# Altium PCB rt1062-ref.PcbDoc (part 1 of 4) (continued)
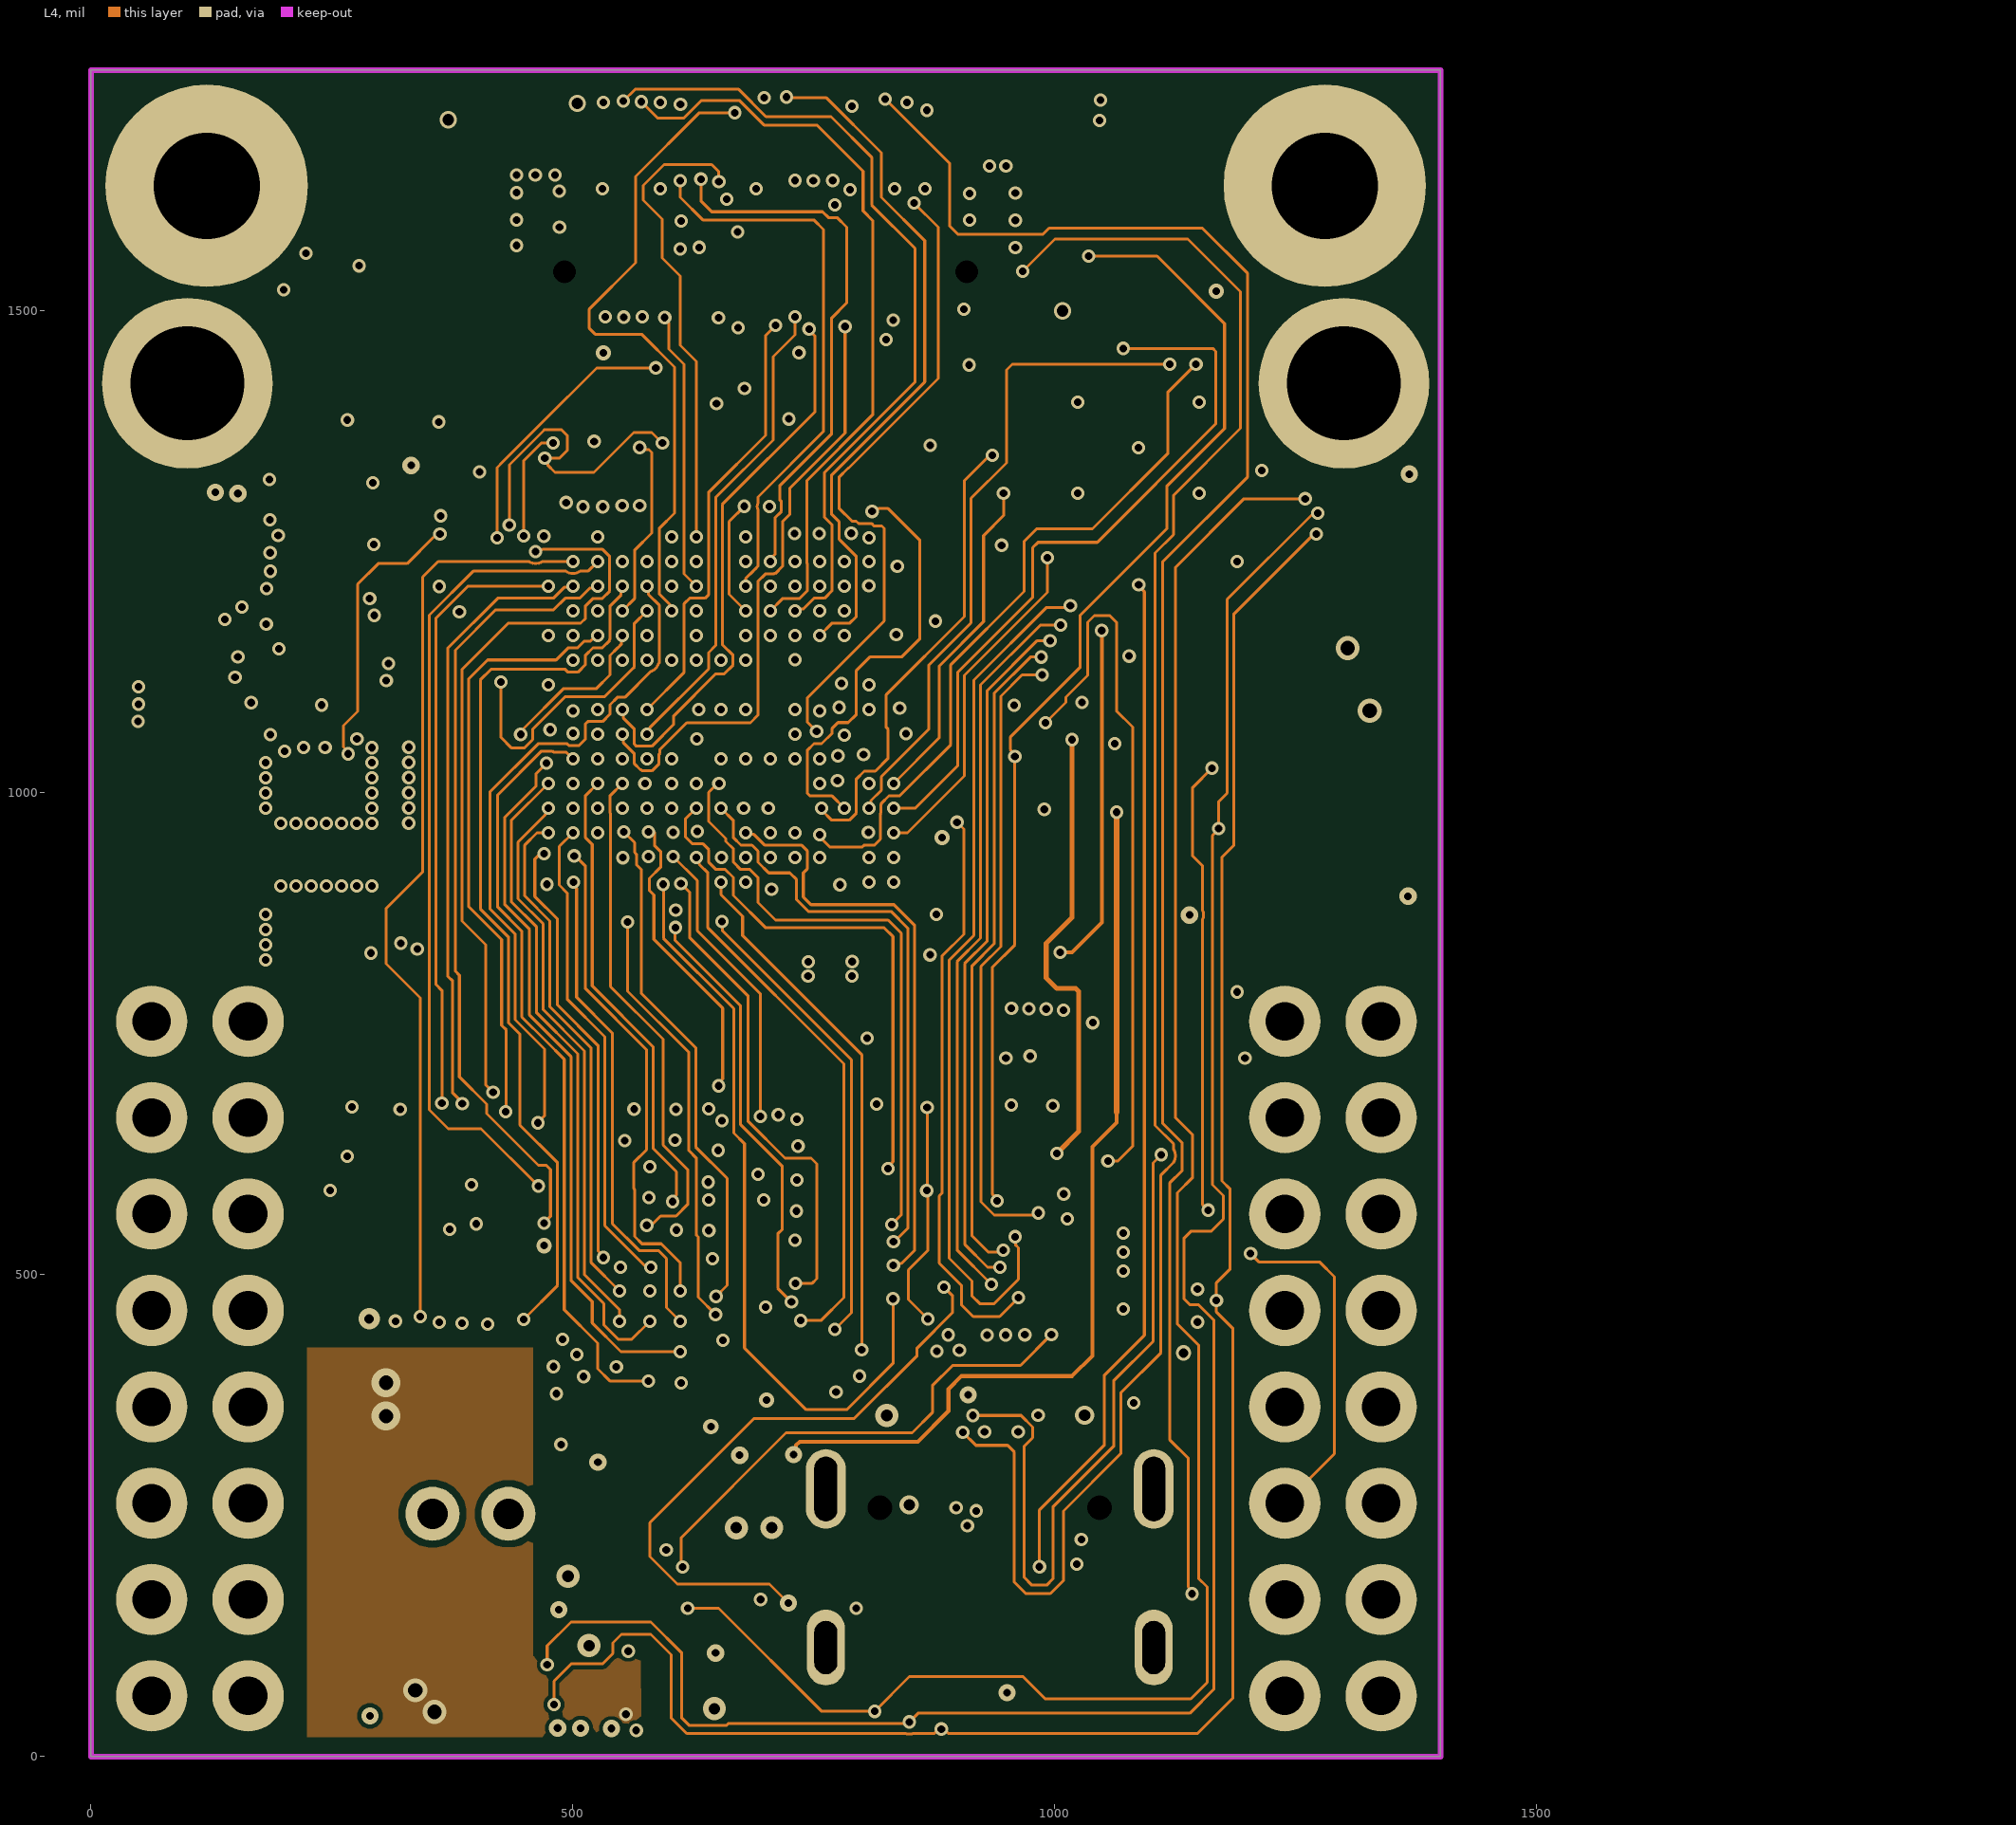
[diagram p4: L4]
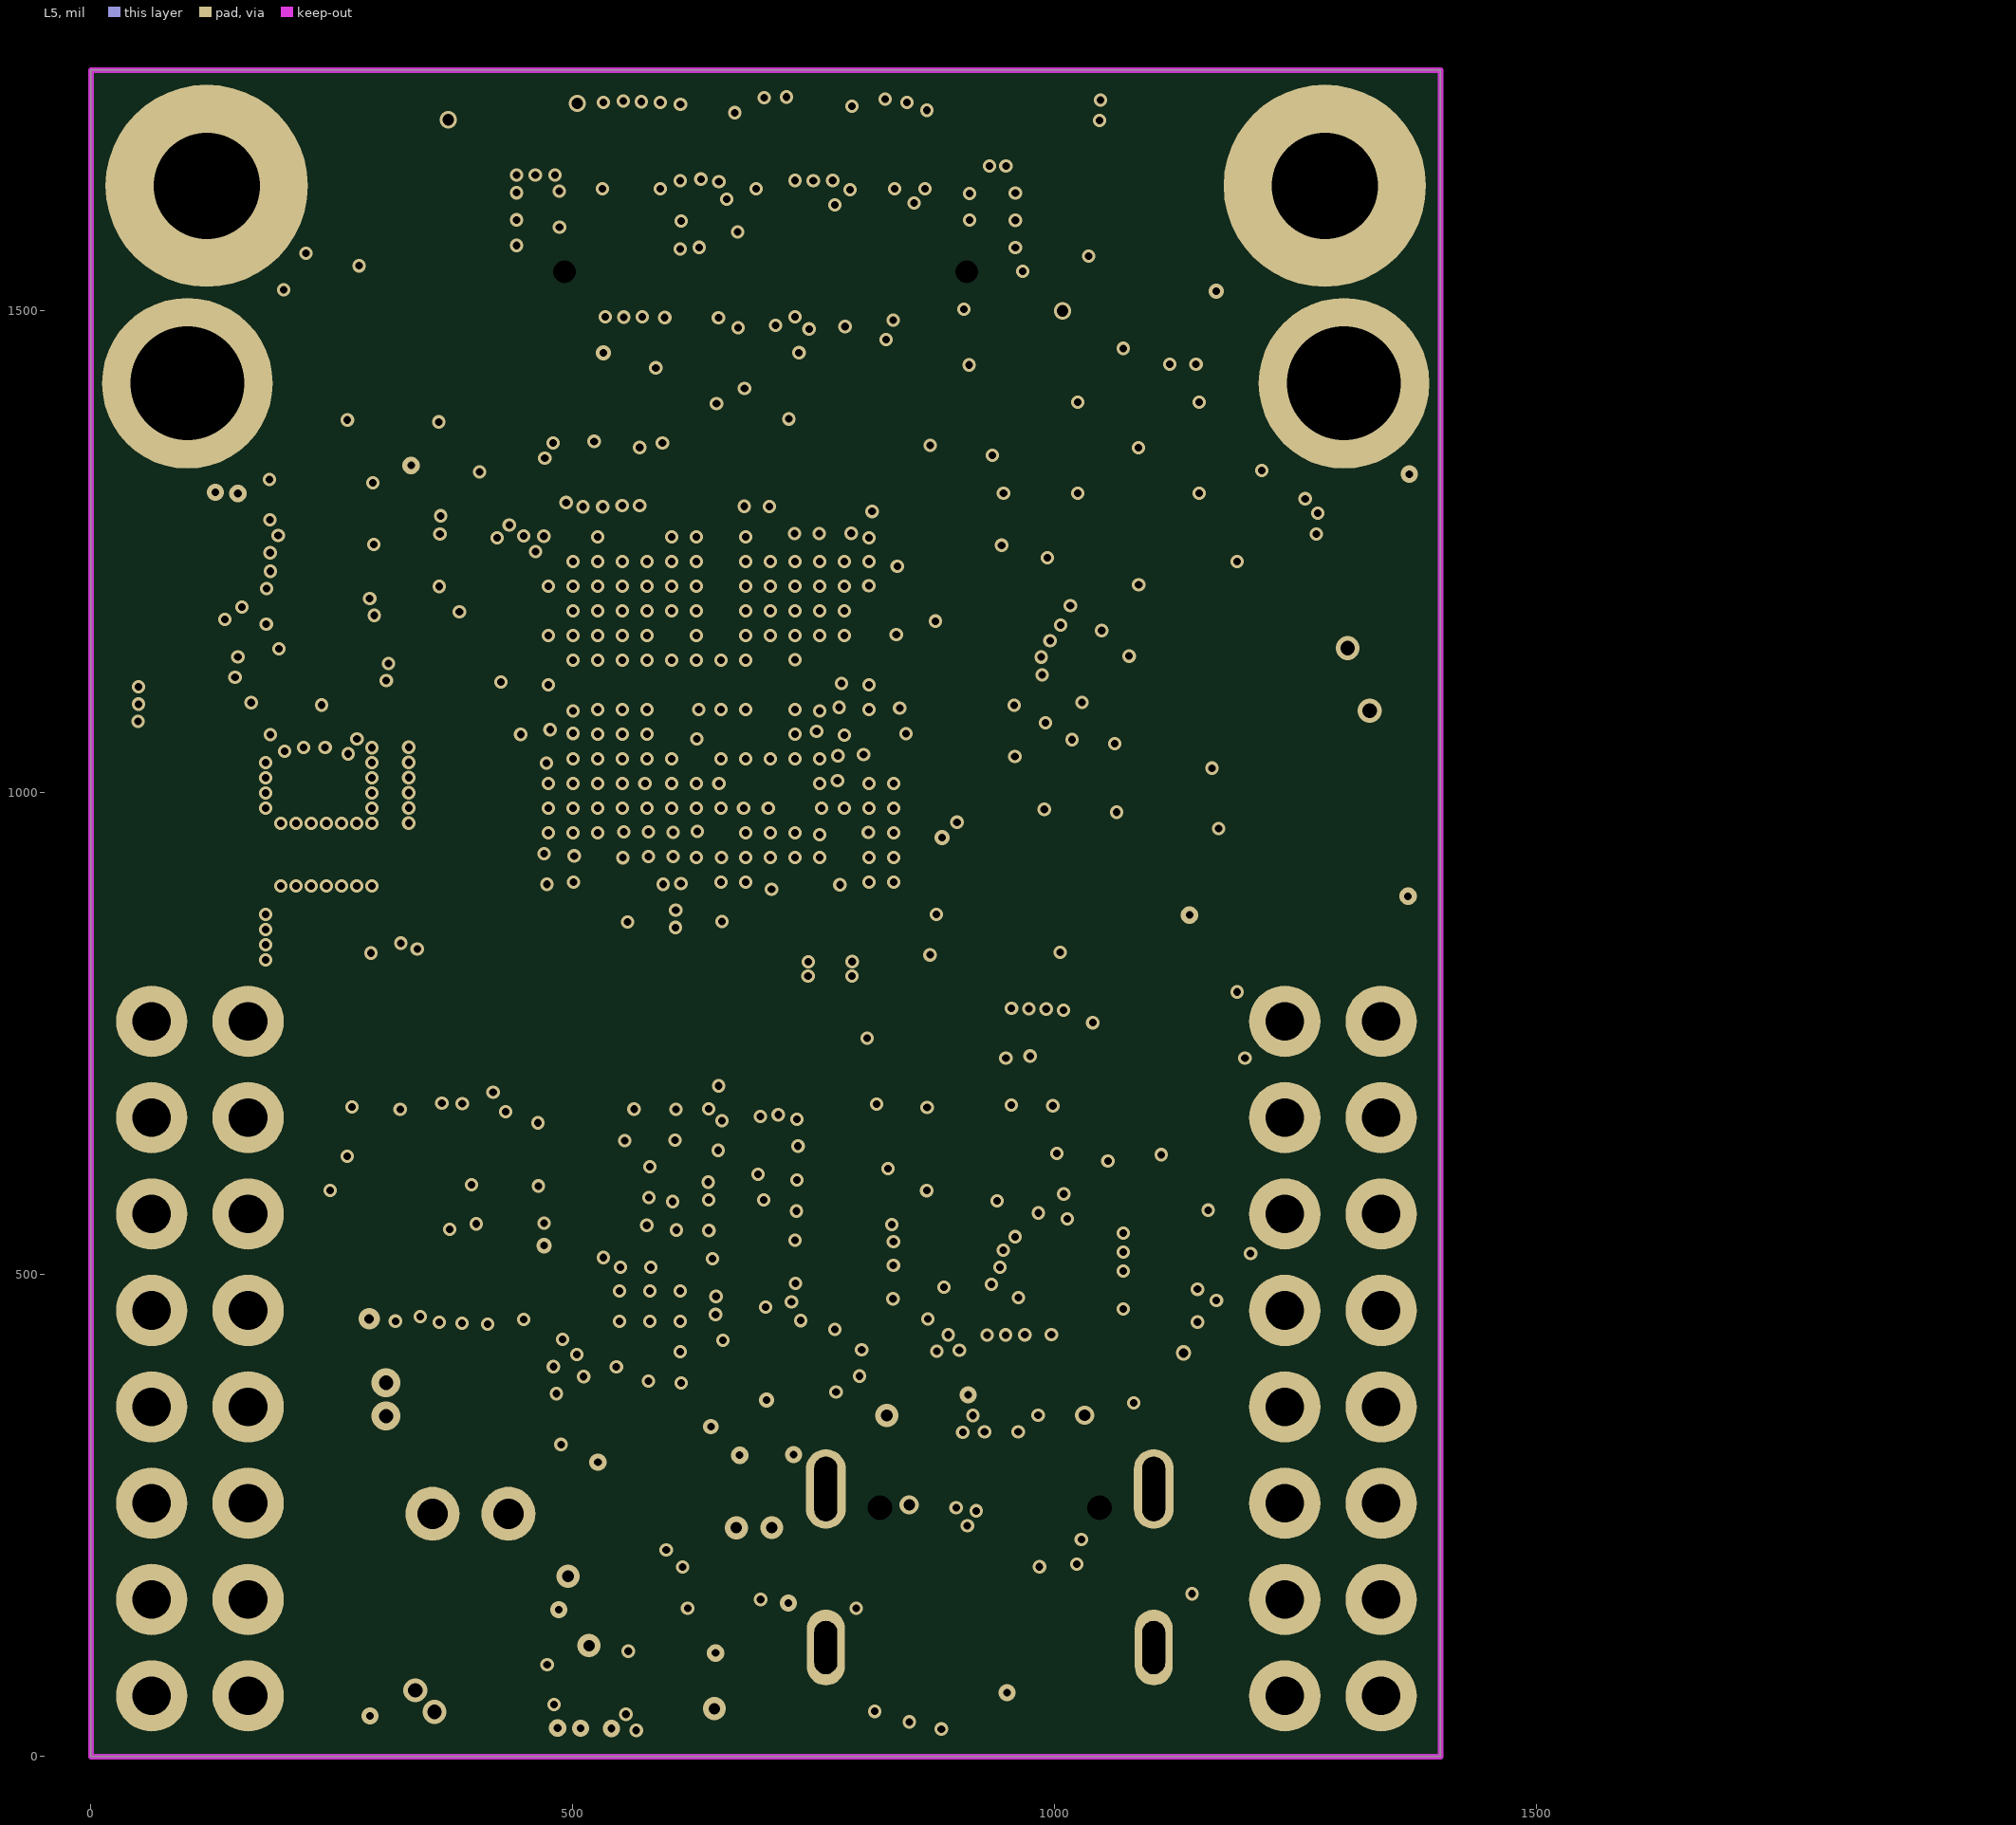
[diagram p5: L5]
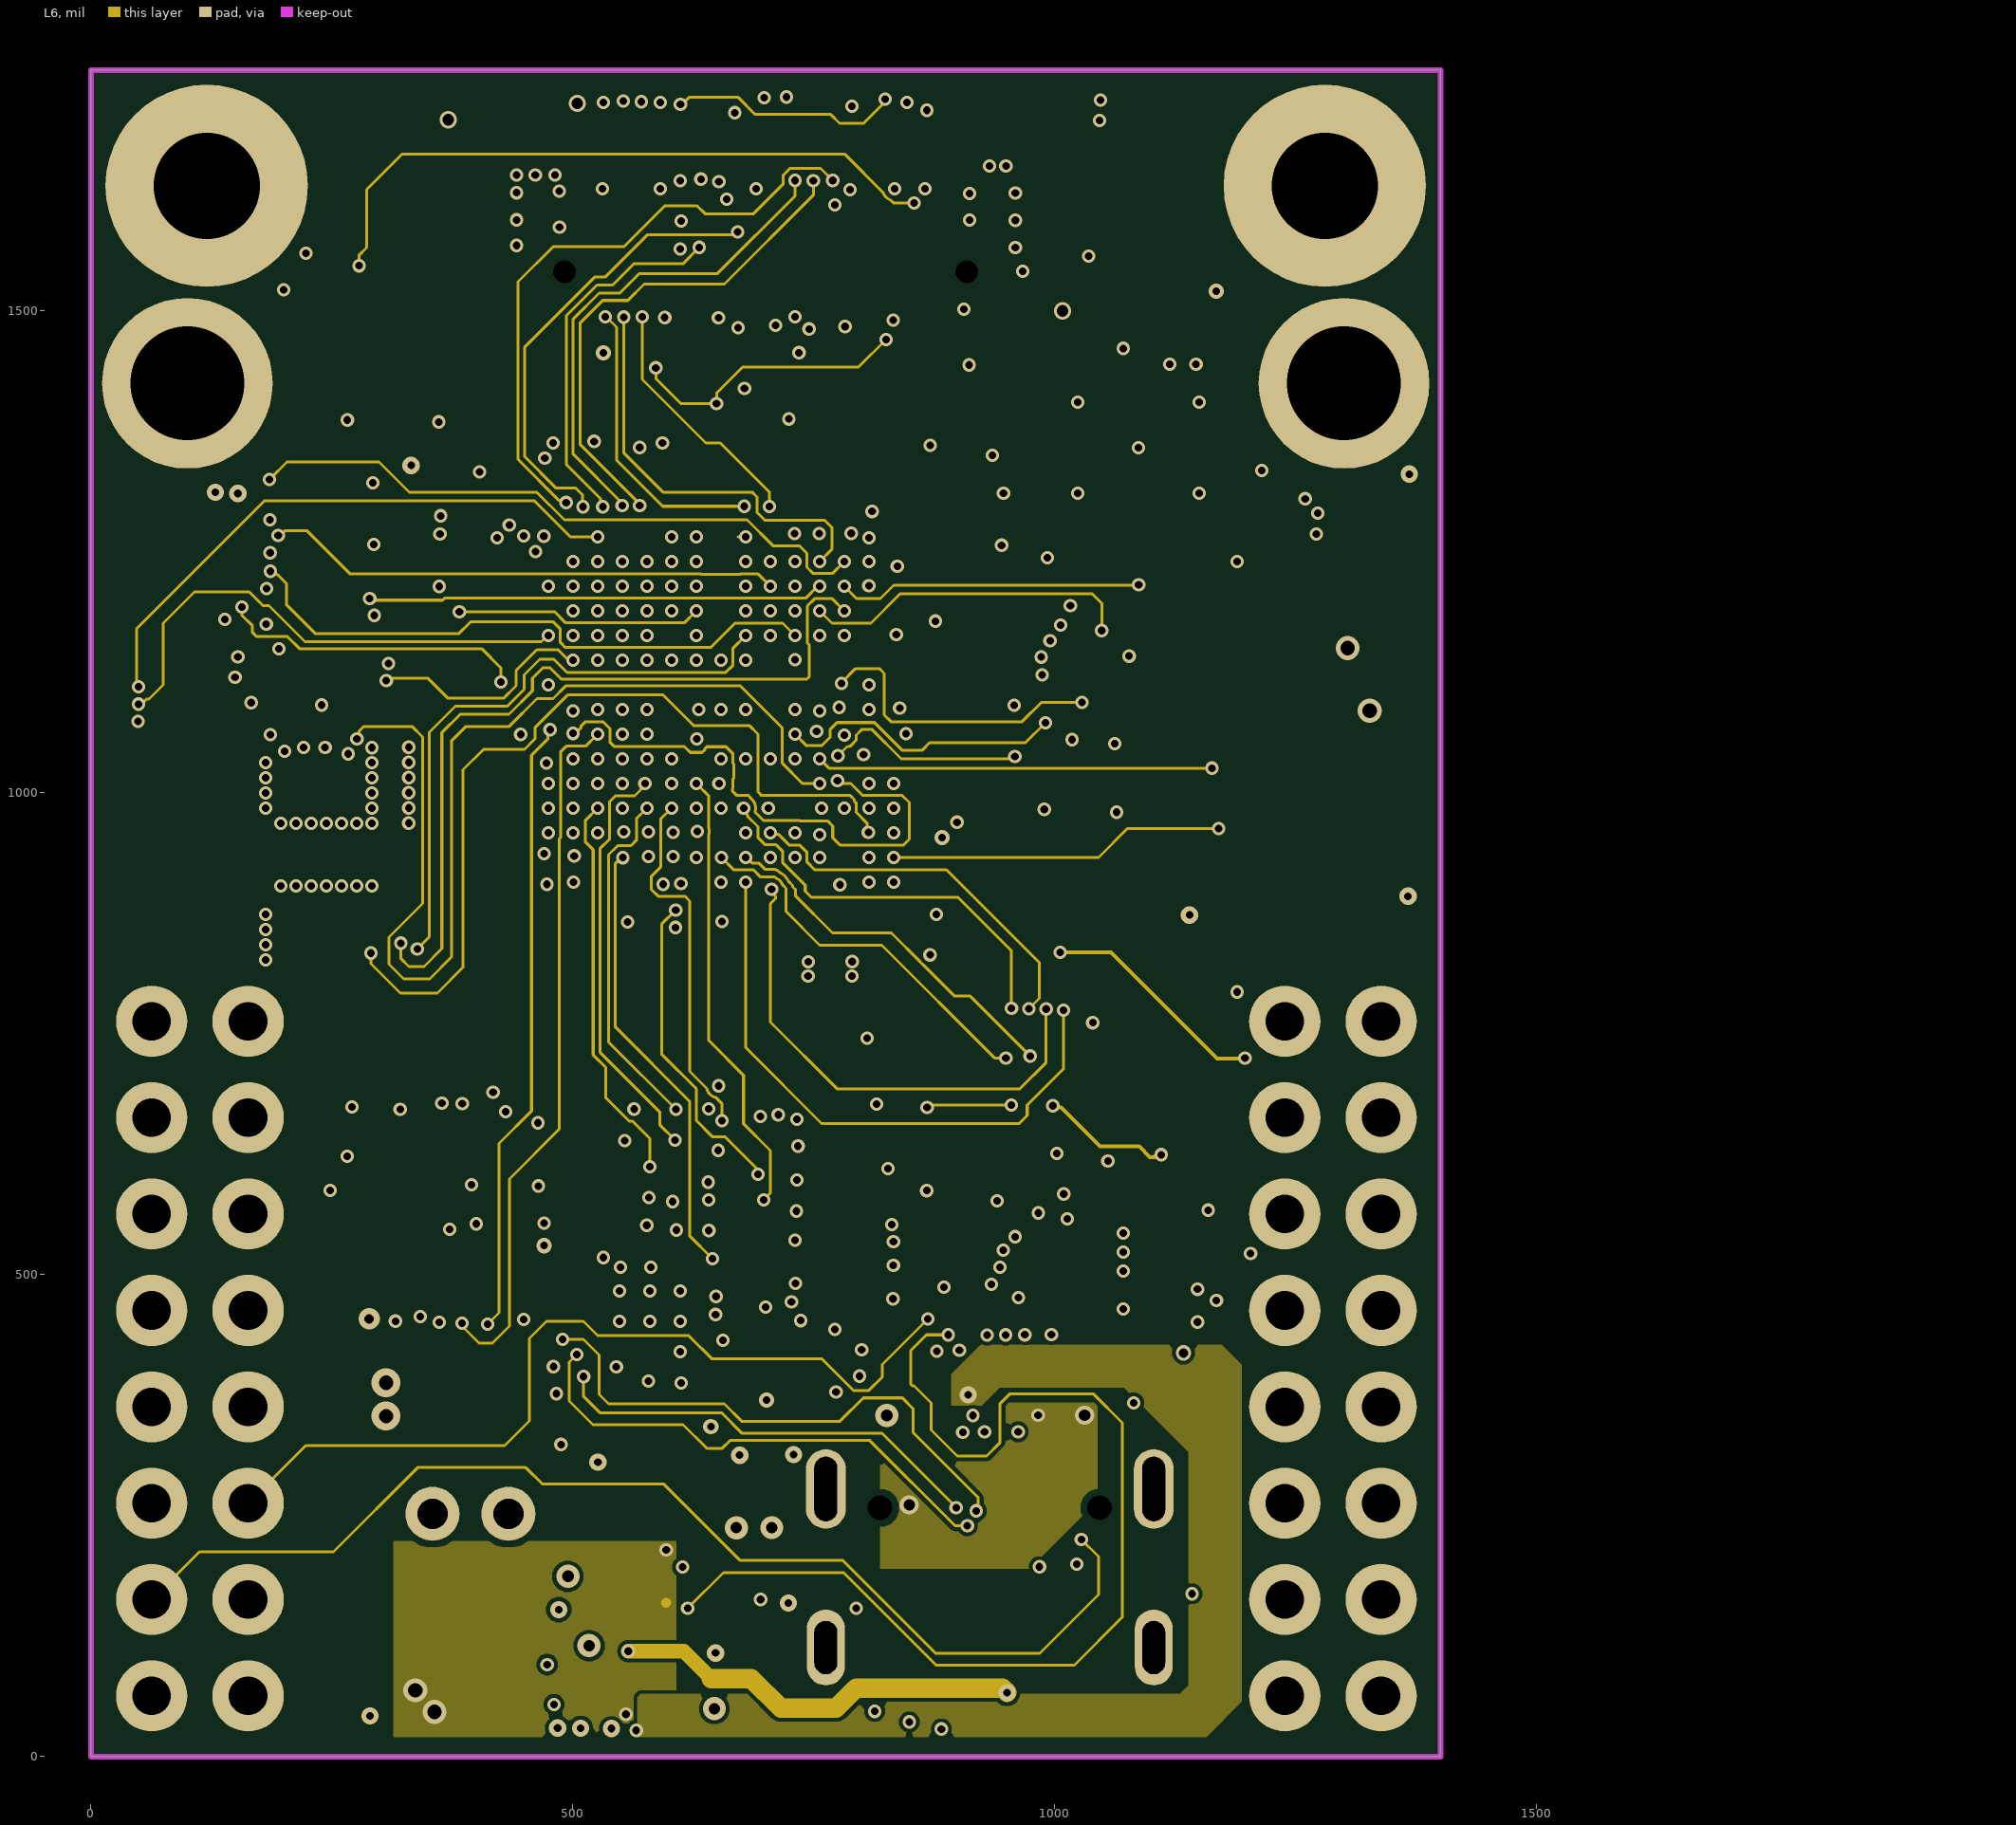
[diagram p6: L6]